# Altium PCB PDU.PcbDoc
Units mm, origin at the board's own origin, x right, y up, seen from the top; angles counter-clockwise.
Board outline 145.67 x 80 mm, 2 copper layers (Top Layer, Bottom Layer); 99 components, 66 nets, 345 pads, 193 vias.
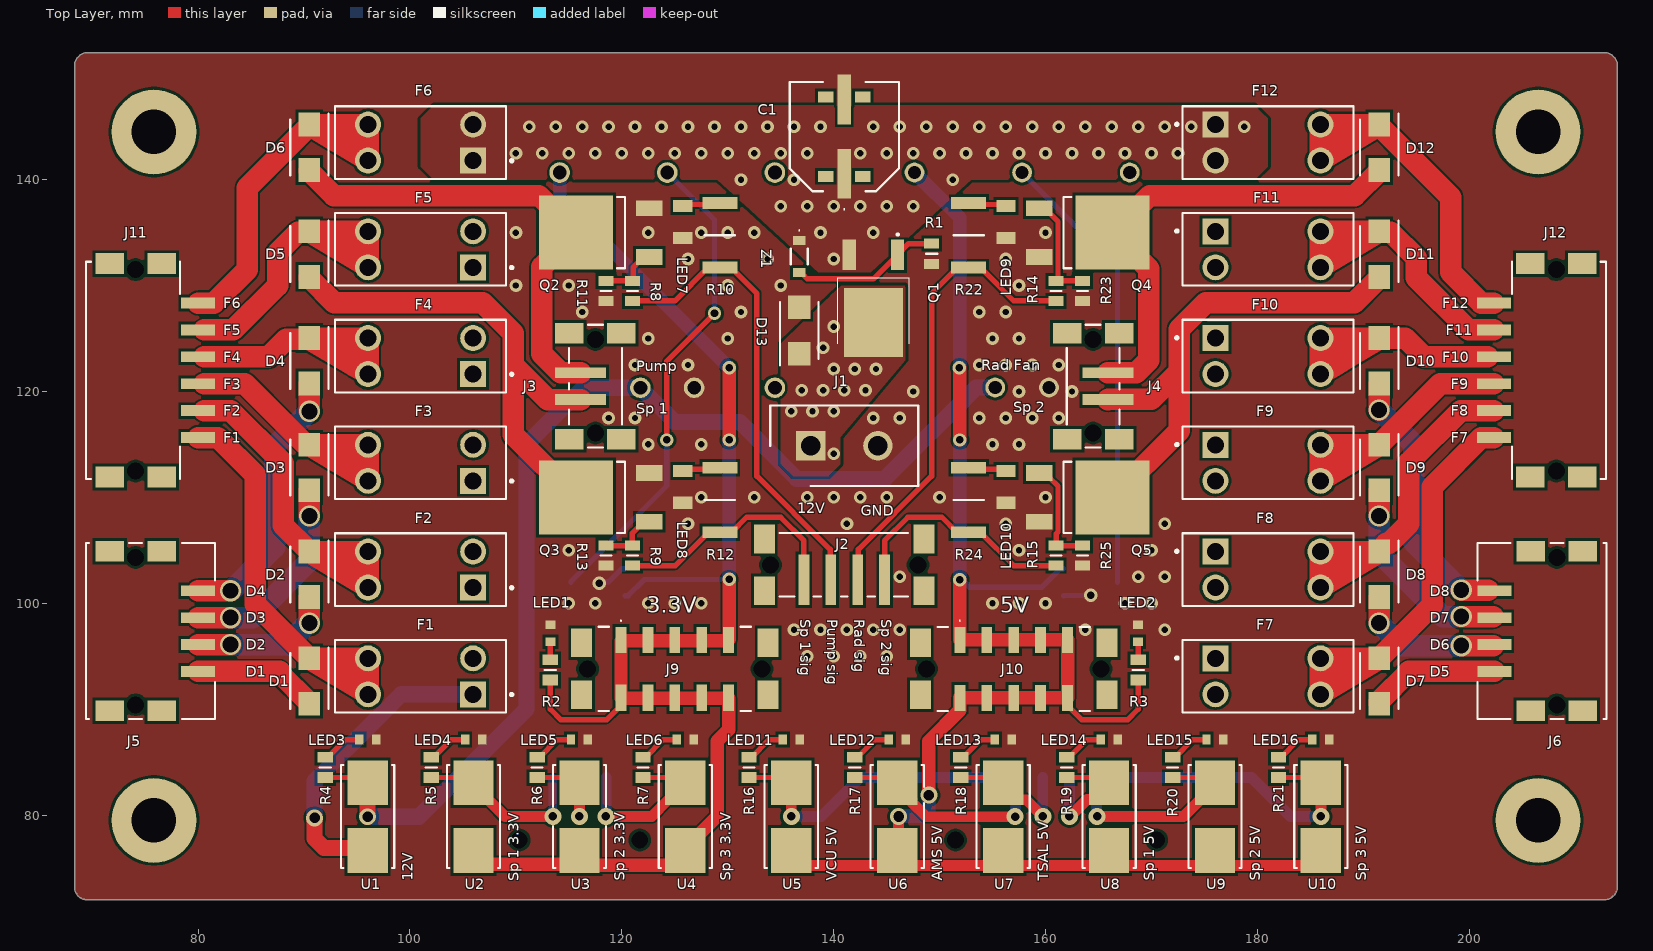
[diagram p0: Top Layer view]
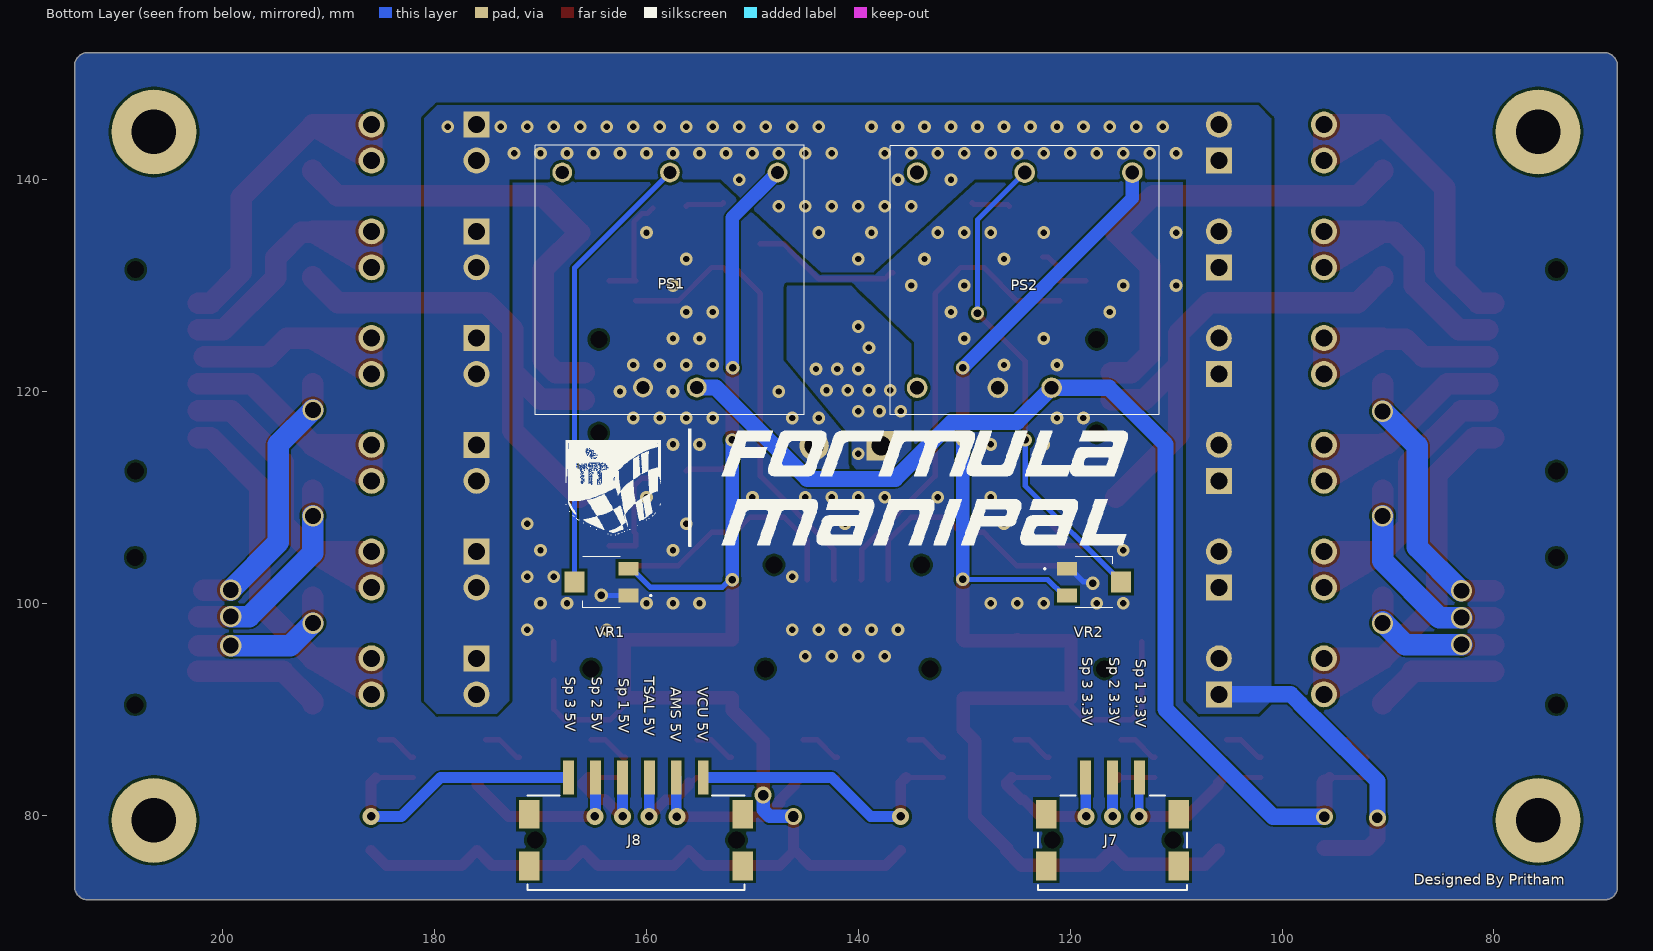
[diagram p1: Bottom Layer view, seen from below]
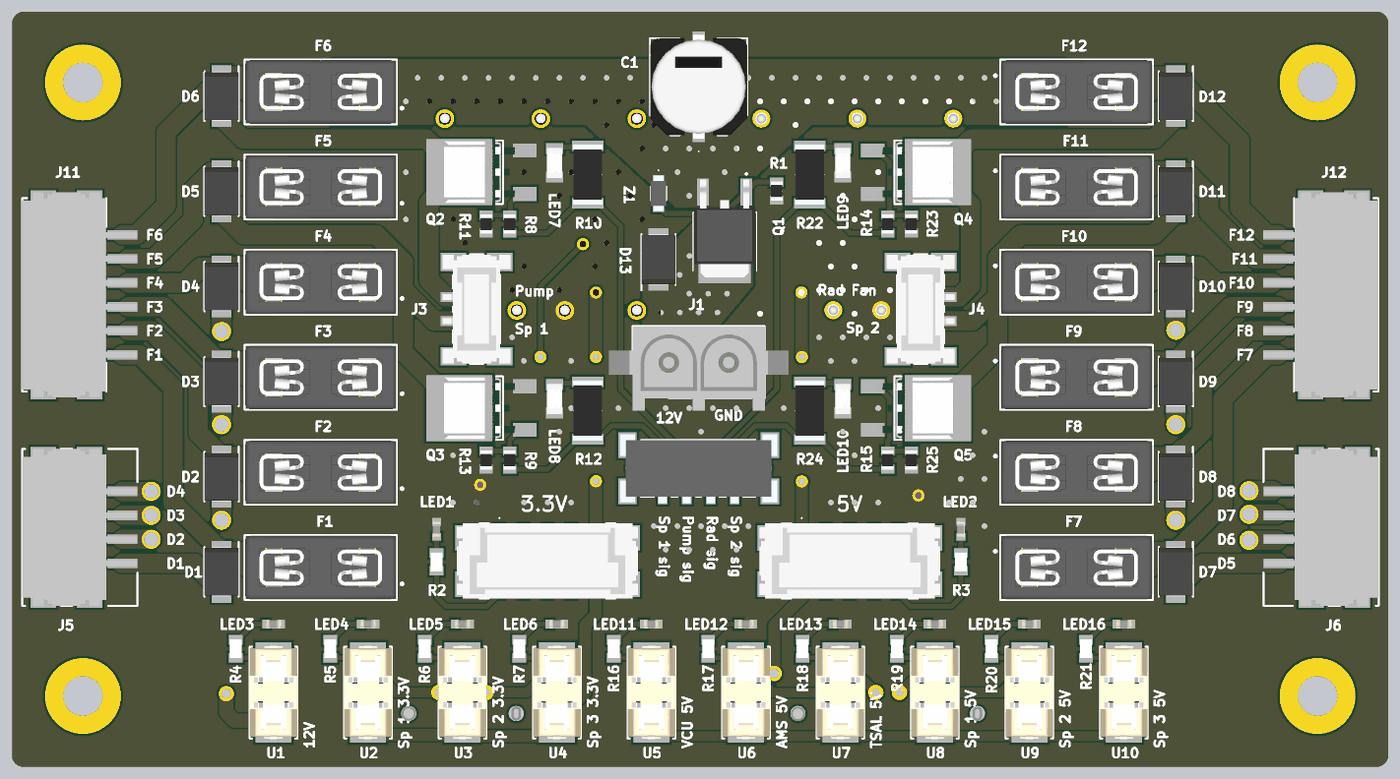
[diagram p2: 3D render of the assembled board from above, using the file's embedded part models]
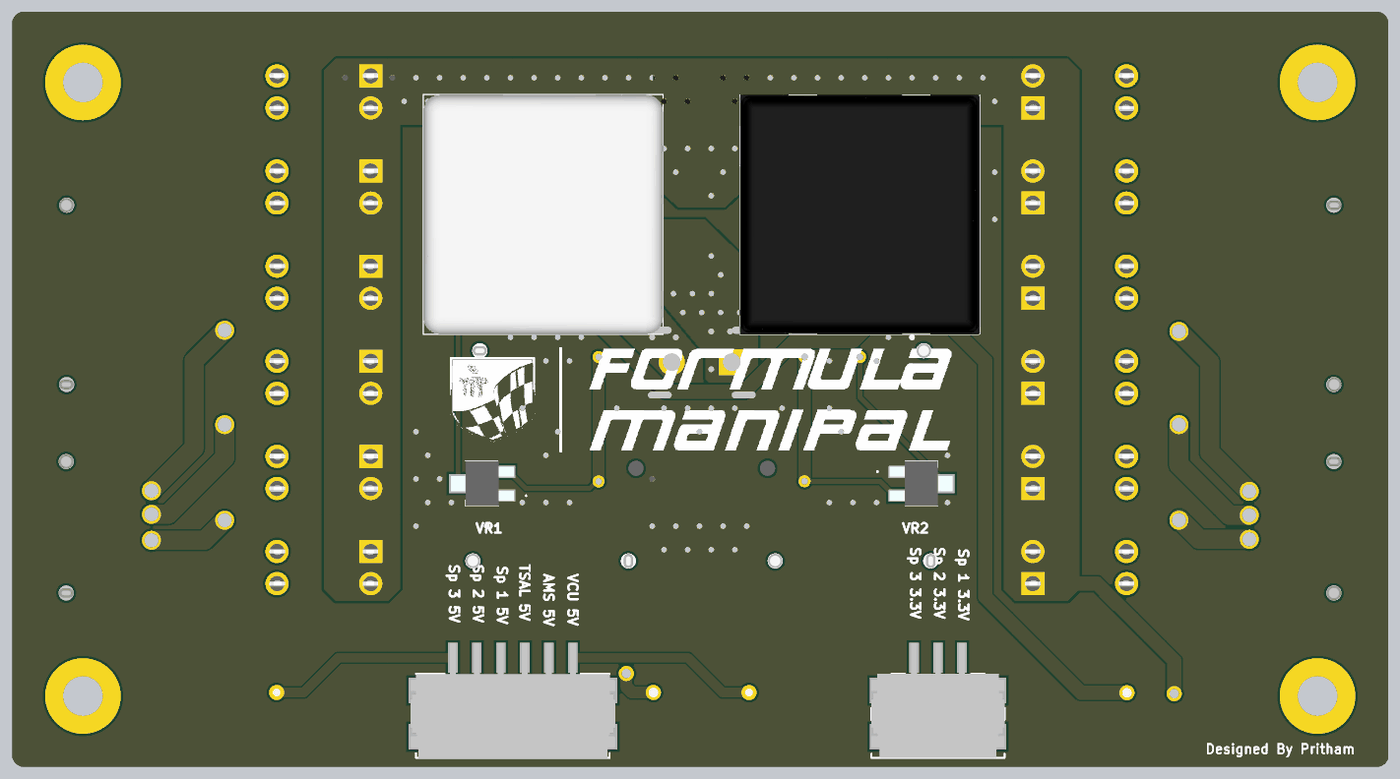
[diagram p3: 3D render of the assembled board from below, using the file's embedded part models]

## Layer stack, top to bottom
Top Solder: solder mask 0.0102, Solder Resist, Dk 3.5
Top Layer: signal copper 0.0356
Dielectric 1: dielectric 0.32, FR-4, Dk 4.8
Bottom Layer: signal copper 0.0356
Bottom Solder: solder mask 0.0102, Solder Resist, Dk 3.5

## Board outline
68.328,73.192 68.328,150.73 cw(c69.598,150.73) 69.598,152 70.156,152 143,152 212.73,152 cw(c212.73,150.73) 214,150.73 214,73.27 cw(c212.73,73.27) 212.73,72 212.75,72 70.125,72 69.52,72 cw(c69.52,73.192)

## Design rules (kind name [scope] priority, off if disabled: settings)
Clearance [All] p1: gap=0.254 ignorepadtopadclearanceinfootprint=FALSE except(0.16: Arc-Fill Arc-Poly Arc-Region Track-Fill Track-Poly Track-Region; 0.17: Arc-Arc Arc-Track Track-Track; 0.305: Arc-Via Track-Via Via-Via)
HoleSize [All] p1: absolutevalues=TRUE maxlimit=6.3 minlimit=0.35 maxpercent=80.000 minpercent=20.000
PolygonConnect [All] p1: connectstyle=Direct reliefconductorwidth=0.254 reliefentries=4 polygonreliefangle="90 Angle" airgapwidth=0.254
RoutingVias [All] p1: holewidth=0.711 width=1.27 viastyle="Through Hole" minholewidth=0.711 minwidth=1.27 maxholewidth=0.711 maxwidth=1.27
SolderMaskExpansion [All] p1: expansion=0 istentingtop=FALSE
SupplyNets "Schematic Supply Nets_1" [InNet('+12')] p1: voltage=0.000
SupplyNets "Schematic Supply Nets" [InNet('GND')] p2: voltage=0.000
Width [All] p1: maxlimit=3 minlimit=0.254 preferedwidth=2.032 minimp=50.000000 maximp=50.000000 favimp=50.000000
29 further rules are at their usual default settings.

## Components (designator, comment, footprint, x,y, rotation, side; value= is the part's Value field where it differs from the comment)
C1 "EEH-ZU1E681UV" EEHZU1E681UV 141,144.055 r0 top
D1 "SS510B" DIOM5336X244N 90.5,92.66 r270 top
D2 "SS510B" DIOM5336X244N 90.5,102.738 r270 top
D3 "SS510B" DIOM5336X244N 90.5,112.816 r270 top
D4 "SS510B" DIOM5336X244N 90.5,122.894 r270 top
D5 "SS510B" DIOM5336X244N 90.5,132.972 r270 top
D6 "SS510B" DIOM5336X244N 90.5,143.05 r270 top
D7 "SS510B" DIOM5336X244N 191.5,92.66 r270 top
D8 "SS510B" DIOM5336X244N 191.5,102.738 r270 top
D9 "SS510B" DIOM5336X244N 191.5,112.816 r270 top
D10 "SS510B" DIOM5336X244N 191.5,122.894 r270 top
D11 "SS510B" DIOM5336X244N 191.5,132.972 r270 top
D12 "SS510B" DIOM5336X244N 191.5,143.05 r270 top
D13 "SMBJ16A-E3_52" DIOM5436X244N 136.75,125.75 r90 top
F1 "3568" FP-3568-MFG 101,93.11 r180 top
F2 "3568" FP-3568-MFG 101,103.188 r180 top
F3 "3568" FP-3568-MFG 101,113.266 r180 top
F4 "3568" FP-3568-MFG 101,123.344 r180 top
F5 "3568" FP-3568-MFG 101,133.422 r180 top
F6 "3568" FP-3568-MFG 101,143.5 r180 top
F7 "3568" FP-3568-MFG 181,93.11 r0 top
F8 "3568" FP-3568-MFG 181,103.188 r0 top
F9 "3568" FP-3568-MFG 181,113.266 r0 top
F10 "3568" FP-3568-MFG 181,123.344 r0 top
F11 "3568" FP-3568-MFG 181,133.422 r0 top
F12 "3568" FP-3568-MFG 181,143.5 r0 top
J1 "350428-1" SHDR2W166P0X635_1X2_1397X762X1397P 137.825,114.875 r0 top
J2 "384462-E" 384462E 141,103.625 r180 top
J3 "294645-E" 294645E 117.5,120.5 r90 top
J4 "294645-E" 294645E 164.5,120.5 r270 top
J5 "384473-E" 384473E 75.5,97.375 r90 top
J6 "384473-E" 384473E 206.875,97.375 r270 top
J7 "284052-E" 284052E 116,77.65 r0 bottom
J8 "254699-E" 254699E 161,78.25 r0 bottom
J9 "474006-E" 474006E 125,93.812 r180 top
J10 "474006-E" 474006E 157,93.81 r180 top
J11 "254699-E" 254699E 74.7,122 r90 top
J12 "254699-E" 254699E 207.625,122 r270 top
LED1 "19-217_GHC-YR1S2_3T" LEDC1608X50N 113.25,97.155 r270 top
LED2 "19-217_GHC-YR1S2_3T" LEDC1608X50N 168.75,97.155 r270 top
LED3 "19-217_GHC-YR1S2_3T" LEDC1608X50N 96,87.125 r180 top
LED4 "19-217_GHC-YR1S2_3T" LEDC1608X50N 106,87.125 r180 top
LED5 "19-217_GHC-YR1S2_3T" LEDC1608X50N 116,87.125 r180 top
LED6 "19-217_GHC-YR1S2_3T" LEDC1608X50N 126,87.125 r180 top
LED7 "APTR3216-VFX" LEDC3216X125N 125.75,136 r90 top
LED8 "APTR3216-VFX" LEDC3216X125N 125.75,111 r90 top
LED9 "APTR3216-VFX" LEDC3216X125N 156.25,136 r90 top
LED10 "APTR3216-VFX" LEDC3216X125N 156.25,111 r90 top
LED11 "19-217_GHC-YR1S2_3T" LEDC1608X50N 136,87.125 r180 top
LED12 "19-217_GHC-YR1S2_3T" LEDC1608X50N 146,87.125 r180 top
LED13 "19-217_GHC-YR1S2_3T" LEDC1608X50N 156,87.125 r180 top
LED14 "19-217_GHC-YR1S2_3T" LEDC1608X50N 166,87.125 r180 top
LED15 "19-217_GHC-YR1S2_3T" LEDC1608X50N 176,87.125 r180 top
LED16 "19-217_GHC-YR1S2_3T" LEDC1608X50N 186,87.125 r180 top
PS1 "THL_15-2411WI" THL152411WI 155.25,120.375 r0 bottom
PS2 "THN_15-2410N" THN152410N 121.75,120.35 r180 bottom
Q1 "FDD6685" FQD1N80TM 143.75,126.5 r180 top
Q2 "IRLR2905ZTRPBF" FP-PG-TO252-3-MFG 118,135 r90 top
Q3 "IRLR2905ZTRPBF" FP-PG-TO252-3-MFG 118,110 r90 top
Q4 "IRLR2905ZTRPBF" FP-PG-TO252-3-MFG 164,135 r270 top
Q5 "IRLR2905ZTRPBF" FP-PG-TO252-3-MFG 164,110 r270 top
R1 "RC0805FR-0710KL" RESC2012X60N 149.25,133 r90 top
R2 "CRG0805F470R" RESC2012X65N 113.25,93.705 r270 top
R3 "CRG0805F470R" RESC2012X65N 168.75,93.705 r270 top
R4 "CRG0805F470R" RESC2012X65N 92,84.5 r270 top
R5 "CRG0805F470R" RESC2012X65N 102,84.5 r270 top
R6 "CRG0805F470R" RESC2012X65N 112,84.5 r270 top
R7 "CRG0805F470R" RESC2012X65N 122,84.5 r270 top
R8 "RC0805FR-0733RL" RESC2012X60N 121,129.5 r90 top
R9 "RC0805FR-0733RL" RESC2012X60N 121,104.5 r90 top
R10 "RC2512JK-07470RL" RESC6431X65N 129.25,134.75 r270 top
R11 "RC0805FR-0710KL" RESC2012X60N 118.5,129.5 r90 top
R12 "RC2512JK-07470RL" RESC6431X65N 129.25,109.75 r270 top
R13 "RC0805FR-0710KL" RESC2012X60N 118.5,104.5 r90 top
R14 "RC0805FR-0733RL" RESC2012X60N 161,129.5 r90 top
R15 "RC0805FR-0733RL" RESC2012X60N 161,104.5 r90 top
R16 "CRG0805F470R" RESC2012X65N 132,84.5 r270 top
R17 "CRG0805F470R" RESC2012X65N 142,84.5 r270 top
R18 "CRG0805F470R" RESC2012X65N 152,84.5 r270 top
R19 "CRG0805F470R" RESC2012X65N 162,84.5 r270 top
R20 "CRG0805F470R" RESC2012X65N 172,84.5 r270 top
R21 "CRG0805F470R" RESC2012X65N 182,84.5 r270 top
R22 "RC2512JK-07470RL" RESC6431X65N 152.75,134.75 r270 top
R23 "RC0805FR-0710KL" RESC2012X60N 163.5,129.5 r90 top
R24 "RC2512JK-07470RL" RESC6431X65N 152.75,109.75 r270 top
R25 "RC0805FR-0710KL" RESC2012X60N 163.5,104.5 r90 top
U1 "01550900M" 01550900M 96,79.865 r90 top
U2 "01550900M" 01550900M 106,79.865 r90 top
U3 "01550900M" 01550900M 116,79.865 r90 top
U4 "01550900M" 01550900M 126,79.865 r90 top
U5 "01550900M" 01550900M 136,79.865 r90 top
U6 "01550900M" 01550900M 146,79.865 r90 top
U7 "01550900M" 01550900M 156,79.865 r90 top
U8 "01550900M" 01550900M 166,79.865 r90 top
U9 "01550900M" 01550900M 176,79.865 r90 top
U10 "01550900M" 01550900M 186,79.865 r90 top
VR1 "SM-42TX103" SM42TX103 164.25,102 r90 bottom
VR2 "SM-42TX103" SM42TX103 117.75,102 r270 bottom
Z1 "BZT52C10W" BZT52C10W 136.75,132.75 r180 top

## Footprints (in the part's own frame and the unit in brackets; to place one, negate y for a bottom-side part, rotate by r counter-clockwise, add the part's x,y. Pads: shape width x height; smd on the part's side, far side on the other; paste and mask are expansions set on the pad)
254699E [mm]
  rect 1.02x3.2 smd: A1(6.35,-5.3) A2(3.81,-5.3) A3(1.27,-5.3) A4(-1.27,-5.3) A5(-3.81,-5.3) A6(-6.35,-5.3)
  round 0.8 hole 1.6 unplated: MH1(9.5,0.6) MH2(-9.5,0.6)
  rect 1.95x2.7 smd: MP1(10.075,-1.85) MP2(10.075,3.05) MP3(-10.075,-1.85) MP4(-10.075,3.05)
  silkscreen extent -10.25,-3.6 10.25,5.3, body extent -10.85,-6.87 10.85,5.33, height 5.1
284052E [mm]
  rect 1.02x3.2 smd: A1(2.54,-5.9) A2(0,-5.9) A3(-2.54,-5.9)
  round 0.8 hole 1.6 unplated: MH1(5.69,0) MH2(-5.69,0)
  rect 1.95x2.7 smd: MP1(6.265,-2.45) MP2(-6.265,-2.45) MP3(6.265,2.45) MP4(-6.265,2.45)
  silkscreen extent -7.04,-4.2 7.04,4.7, body extent -7.04,-7.5 7.04,4.7, height 4.93
294645E [mm]
  rect 1.02x4.8 smd: A1(1.27,1.4) A2(-1.27,1.4)
  round 0.8 hole 1.6 unplated: MH1(4.42,0) MH2(-4.42,0)
  rect 1.95x2.7 smd: MP1(4.995,2.45) MP2(-4.995,2.45) MP3(4.995,-2.45) MP4(-4.995,-2.45)
  silkscreen extent -5.8,-2.5 5.8,2.5, body extent -5.77,-3.6 5.77,3.6, height 10
384462E [mm]
  rect 1.02x4.8 smd: A1(3.81,1.4) A2(1.27,1.4) A3(-1.27,1.4) A4(-3.81,1.4)
  round 0.8 hole 1.6 unplated: MH1(6.96,0) MH2(-6.96,0)
  rect 1.95x2.7 smd: MP1(7.535,2.45) MP2(7.535,-2.45) MP3(-7.535,2.45) MP4(-7.535,-2.45)
  silkscreen extent -6,-3 6.1,3, body extent -8.31,-3.6 8.31,3.7, height 10
384473E [mm]
  rect 1.95x2.7 smd: 1(7.535,-1.05) 2(-7.535,-1.05) 3(7.535,3.85) 4(-7.535,3.85)
  round 0.8 hole 1.6 unplated: 5(6.96,1.4) 6(-6.96,1.4)
  rect 1.02x3.2 smd: A1(3.81,-4.5) A2(1.27,-4.5) A3(-1.27,-4.5) A4(-3.81,-4.5)
  silkscreen extent -8.31,-6.1 8.31,6.1, body extent -8.31,-6.1 8.31,6.1, height 5.14
474006E [mm]
  rect 1.95x2.7 smd: 1(8.805,-2.45) 2(-8.805,-2.45) 3(8.805,2.45) 4(-8.805,2.45)
  round 0.8 hole 1.6 unplated: 5(8.23,0) 6(-8.23,0)
  rect 1.02x2.47 smd: A1(5.08,-2.735) A2(2.54,-2.735) A3(0,-2.735) A4(-2.54,-2.735) A5(-5.08,-2.735) B1(5.08,2.735) B2(2.54,2.735) B3(0,2.735) B4(-2.54,2.735) B5(-5.08,2.735)
  silkscreen extent -7.2,-4.6 7.2,3.97, body extent -9.58,-3.97 9.58,3.97, height 10.15
01550900M [mm]
  rect 4.24x3.81 smd: 1(-3.19,0) 2(3.19,0)
  silkscreen extent -4.86,-2.51 4.86,2.51, body extent -4.95,-2.51 4.96,2.52, height 3.8
BZT52C10W [mm]
  rect 1.2x0.85 smd: 1(0,-1.525) 2(0,1.525)
  silkscreen extent -0.8,-2.5 0.8,0.75, body extent -0.8,-1.87 0.8,1.87, height 1.25
DIOM5336X244N [mm]
  rect 2.25x2.05 smd: 1(-2.15,0) 2(2.15,0)
  silkscreen extent -3.18,-1.81 2.64,1.81, body extent -2.64,-1.81 2.64,1.81, height 2.44
DIOM5436X244N [mm]
  rect 2.2x2.15 smd: 1(-2.2,0) 2(2.2,0)
  silkscreen extent -3.27,-1.81 2.7,1.81, body extent -2.7,-1.81 2.7,1.81, height 2.44
EEHZU1E681UV [mm]
  rect 1.3x4.7 smd: 1(0,-3.5) 2(0,3.5)
  rect 1.47x1.02 smd: 3(-1.75,-3.75) 4(1.75,-3.75) 5(-1.75,3.75) 6(1.75,3.75)
  silkscreen extent -5.15,-6.9 5.15,5.15, body extent -5.15,-5.5 5.15,5.5, height 12.8
FP-3568-MFG [mm]
  round 2.45 hole 1.6 paste-2539.97 mask+0: 1(-4.96,-1.7) 2(4.96,-1.7) 2(4.96,1.7)
  rect 2.45x2.45 hole 1.6 paste-2539.97 mask+0: 1(-4.96,1.7)
  silkscreen extent -8.73,-3.43 8.07,3.43, body extent -8.17,-3.53 8.17,3.53, height 0.25
FP-PG-TO252-3-MFG [mm]
  rect 1.5x2.5 smd paste+0 mask+0: 1(-2.3,-4.575) 3(2.3,-4.575)
  rect 7x7 smd paste+0 mask+0: 4(0,2.325)
  silkscreen extent -3.37,-2.29 3.36,-1.55, body extent -3.6,-5.92 3.6,5.92, height 0.25
FQD1N80TM [mm]
  rect 1.25x2.85 smd: 1(-2.28,-6.4) 3(2.28,-6.4)
  rect 5.55x6.5 smd: 2(0,0)
  silkscreen extent -3.36,-8.43 3.36,1.98, body extent -3.25,-7.7 3.25,2.66, height 2.3
LEDC1608X50N [mm]
  rect 0.8x0.95 smd: 1(-0.8,0) 2(0.8,0)
  body extent -0.84,-0.4 0.8,0.4, height 0.42
LEDC3216X125N [mm]
  rect 1.15x1.8 smd: 1(-1.5,0) 2(1.5,0)
  body extent -1.63,-0.8 1.57,0.8, height 1.05
RESC2012X60N [mm]
  rect 0.95x1.4 smd: 1(-0.95,0) 2(0.95,0)
  silkscreen extent 0,-0.53 0,0.53, body extent -1,-0.63 1,0.63, height 0.6
RESC2012X65N [mm]
  rect 1x1.45 smd: 1(-0.95,0) 2(0.95,0)
  silkscreen extent 0,-0.53 0,0.53, body extent -1,-0.63 1,0.63, height 0.56
RESC6431X65N [mm]
  rect 1.1x3.3 smd: 1(-3.05,0) 2(3.05,0)
  silkscreen extent 0,-1.45 0,1.45, body extent -3.18,-1.55 3.18,1.55, height 0.65
SHDR2W166P0X635_1X2_1397X762X1397P [mm]
  rect 2.775x2.775 hole 1.85: 1(0,0)
  round 2.775 hole 1.85: 2(6.35,0)
  silkscreen extent -3.81,-3.81 10.16,3.81, body extent -6.34,-5.13 12.71,3.76, height 14.06
SM42TX103 [mm]
  rect 1.3x1.9 smd: 1(-1.27,-2.55) 3(1.27,-2.55)
  rect 2x1.9 smd: 2(0,2.55)
  silkscreen extent -2.4,-4.7 2.4,1.75, body extent -2.4,-3.37 2.4,3.31, height 5.4
THL152411WI [mm]
  round 1.875 hole 1.25: 1(0,0) 2(5.08,0) 3(-7.62,-20.3) 4(2.54,-20.3) 5(12.7,-20.3)
  silkscreen extent -10.16,-22.85 15.24,2.55, body extent -10.16,-22.84 15.24,2.56, height 16
THN152410N [mm]
  round 1.95 hole 1.3: 1(0,0) 2(-5.08,0) 3(7.62,20.32) 4(-2.54,20.32) 5(-12.7,20.32) 6(-12.7,0)
  silkscreen extent -15.24,-2.54 10.16,22.86, body extent -15.24,-2.52 10.16,22.88, height 15.7

## Part data
C1: "Capacitor Polarised (6-Pin Vibration Proof)", Manufacturer_Name=Panasonic, Mouser Part Number=667-EEH-ZU1E681UV, Datasheet Link=https://industrial.panasonic.com/cdbs/www-data/pdf/RDD0000/ast-ind-280898.pdf, Height=12.8mm, Manufacturer_Part_Number=EEH-ZU1E681UV, Mouser Price/Stock=https://www.mouser.co.uk/ProductDetail/Panasonic/EEH-ZU1E681UV?qs=HoCaDK9Nz5e6Q1bgl9oS6A%3D%3D
D1 D2 D3 D4 D5 D6 D7 D8 D9 D10 D11 D12: "Diode", Manufacturer_Name="HY Electronic", Height=2.44mm, Manufacturer_Part_Number=SS510B
D13: "TVS Diode (Uni-directional)", Arrow Part Number=SMBJ16A-E3/52, Manufacturer_Name=Vishay, Mouser Part Number=625-SMBJ16A-E3, Arrow Price/Stock=https://www.arrow.com/en/products/smbj16a-e352/vishay?utm_currency=USD&region=nac, Datasheet Link=http://www.vishay.com/docs/88392/smbj.pdf, Height=2.44mm, Manufacturer_Part_Number=SMBJ16A-E3/52, Mouser Price/Stock=https://www.mouser.co.uk/ProductDetail/Vishay-General-Semiconductor/SMBJ16A-E3-52?qs=3qLEwsAJF5T7oi0PUWfV9A%3D%3D
F1 F2 F3 F4 F5 F6 F7 F8 F9 F10 F11 F12: library part CMP-2000-05464-2, Color=Black, Current Rating=20A, Flammability Rating="UL94 V-0", Max Operating Temperature=145°C, Min Operating Temperature=-50°C, Voltage=500V, Approvals=UL, Body Material=Nylon, Contact Material=Brass, Contact Plating=Tin, Depth=6.73mm, Fuse Current=20A, Illumination Type=Illuminated, Lead Free="Lead Free", Length=16mm, Material="Brass, Nylon, Tin", Mount="PCB, Vertical", NexarPartId=8116161, Number of Circuits=1, Number of Poles=1, Orientation=Vertical, REACH SVHC="No SVHC", RoHS=Compliant, Termination="PC Pin", Voltage Rating (AC)=500V
J1: "Connector", Manufacturer_Name="TE Connectivity", Mouser Part Number=571-3504281, Arrow Part Number=350428-1, Arrow Price/Stock=https://www.arrow.com/en/products/350428-1/te-connectivity?utm_currency=USD&region=europe, Datasheet Link=https://www.te.com/commerce/DocumentDelivery/DDEController?Action=srchrtrv&DocNm=82181_SOFTSHELL_STANDARD_DENSITY&DocType=Catalog%20Section&DocLang=English&PartCntxt=350428-1&DocFormat=pdf, Height=13.97mm, Manufacturer_Part_Number=350428-1, Mouser Price/Stock=https://www.mouser.co.uk/ProductDetail/TE-Connectivity-AMP/350428-1?qs=wtYpWE7xRjnaxlxVUMYv0Q%3D%3D
J2: "Connector", Manufacturer_Name="TE Connectivity", Mouser Part Number=305-384462, Arrow Part Number=384462-E, Arrow Price/Stock=https://www.arrow.com/en/products/384462-e/te-connectivity?utm_currency=USD&region=nac, Datasheet Link=https://www.te.com/usa-en/product-384462-E.html, Height=9.9mm, Manufacturer_Part_Number=384462-E, Mouser Price/Stock=https://www.mouser.co.uk/ProductDetail/TE-Connectivity-ERNI/384462-E?qs=t7xnP681wgX9Dy4LjYOfWQ%3D%3D
J3 J4: "Connector", Manufacturer_Name="TE Connectivity", Mouser Part Number=305-294645, Arrow Part Number=294645-E, Arrow Price/Stock=https://www.arrow.com/en/products/294645-e/te-connectivity?utm_currency=USD&region=nac, Datasheet Link=https://www.te.com/en/product-294645-E.html, Manufacturer_Part_Number=294645-E, Mouser Price/Stock=https://www.mouser.co.uk/ProductDetail/TE-Connectivity-ERNI/294645-E?qs=t7xnP681wgVnmJsGnqo%2Fag%3D%3D
J5 J6: "Connector", Manufacturer_Name="TE Connectivity", Datasheet Link=https://www.te.com/en/product-384473-E.datasheet.pdf, Height=5.05mm, Manufacturer_Part_Number=384473-E
J7: "Connector", Manufacturer_Name="TE Connectivity", Mouser Part Number=305-284052, Arrow Part Number=284052-E, Arrow Price/Stock=https://www.arrow.com/en/products/284052-e/te-connectivity?utm_currency=USD&region=nac, Datasheet Link=https://www.te.com/commerce/DocumentDelivery/DDEController?Action=showdoc&DocId=Customer+Drawing%7F224919-E%7FE%7Fpdf%7FEnglish%7FENG_CD_224919-E_E.pdf%7F284052-E, Height=5.05mm, Manufacturer_Part_Number=284052-E, Mouser Price/Stock=https://www.mouser.co.uk/ProductDetail/TE-Connectivity-ERNI/284052-E?qs=t7xnP681wgU7xBo%252Bl2asHw%3D%3D
J8 J11 J12: "Connector", Manufacturer_Name="TE Connectivity", Mouser Part Number=305-254699, Arrow Part Number=254699-E, Arrow Price/Stock=null?region=nac, Datasheet Link=https://www.te.com/commerce/DocumentDelivery/DDEController?Action=showdoc&DocId=Customer+Drawing%7F224913-E-C%7FE1%7Fpdf%7FGerman%7FGER_CD_224913-E-C_E1.pdf%7F254699-E, Height=5.05mm, Manufacturer_Part_Number=254699-E, Mouser Price/Stock=https://www.mouser.co.uk/ProductDetail/TE-Connectivity-ERNI/254699-E?qs=t7xnP681wgU5kHrQQ3QprA%3D%3D
J9 J10: "Connector", Manufacturer_Name="TE Connectivity", Mouser Part Number=305-474006, Arrow Part Number=474006-E, Arrow Price/Stock=https://www.arrow.com/en/products/474006-e/te-connectivity.html?utm_currency=USD&region=nac, Datasheet Link=https://www.te.com/en/product-474006-E.html, Height=9.4mm, Manufacturer_Part_Number=474006-E, Mouser Price/Stock=https://www.mouser.co.uk/ProductDetail/TE-Connectivity-ERNI/474006-E?qs=t7xnP681wgWXPbqtCfsedQ%3D%3D